# Altium PCB PCB3.PcbDoc (part 3 of 5)
Units mil, origin at the board's own origin, x right, y up, seen from the top; angles counter-clockwise.
Board outline 6000 x 4000 mil, 2 copper layers (Top Layer, Bottom Layer); 340 components, 0 nets, 1296 pads, 308 vias.
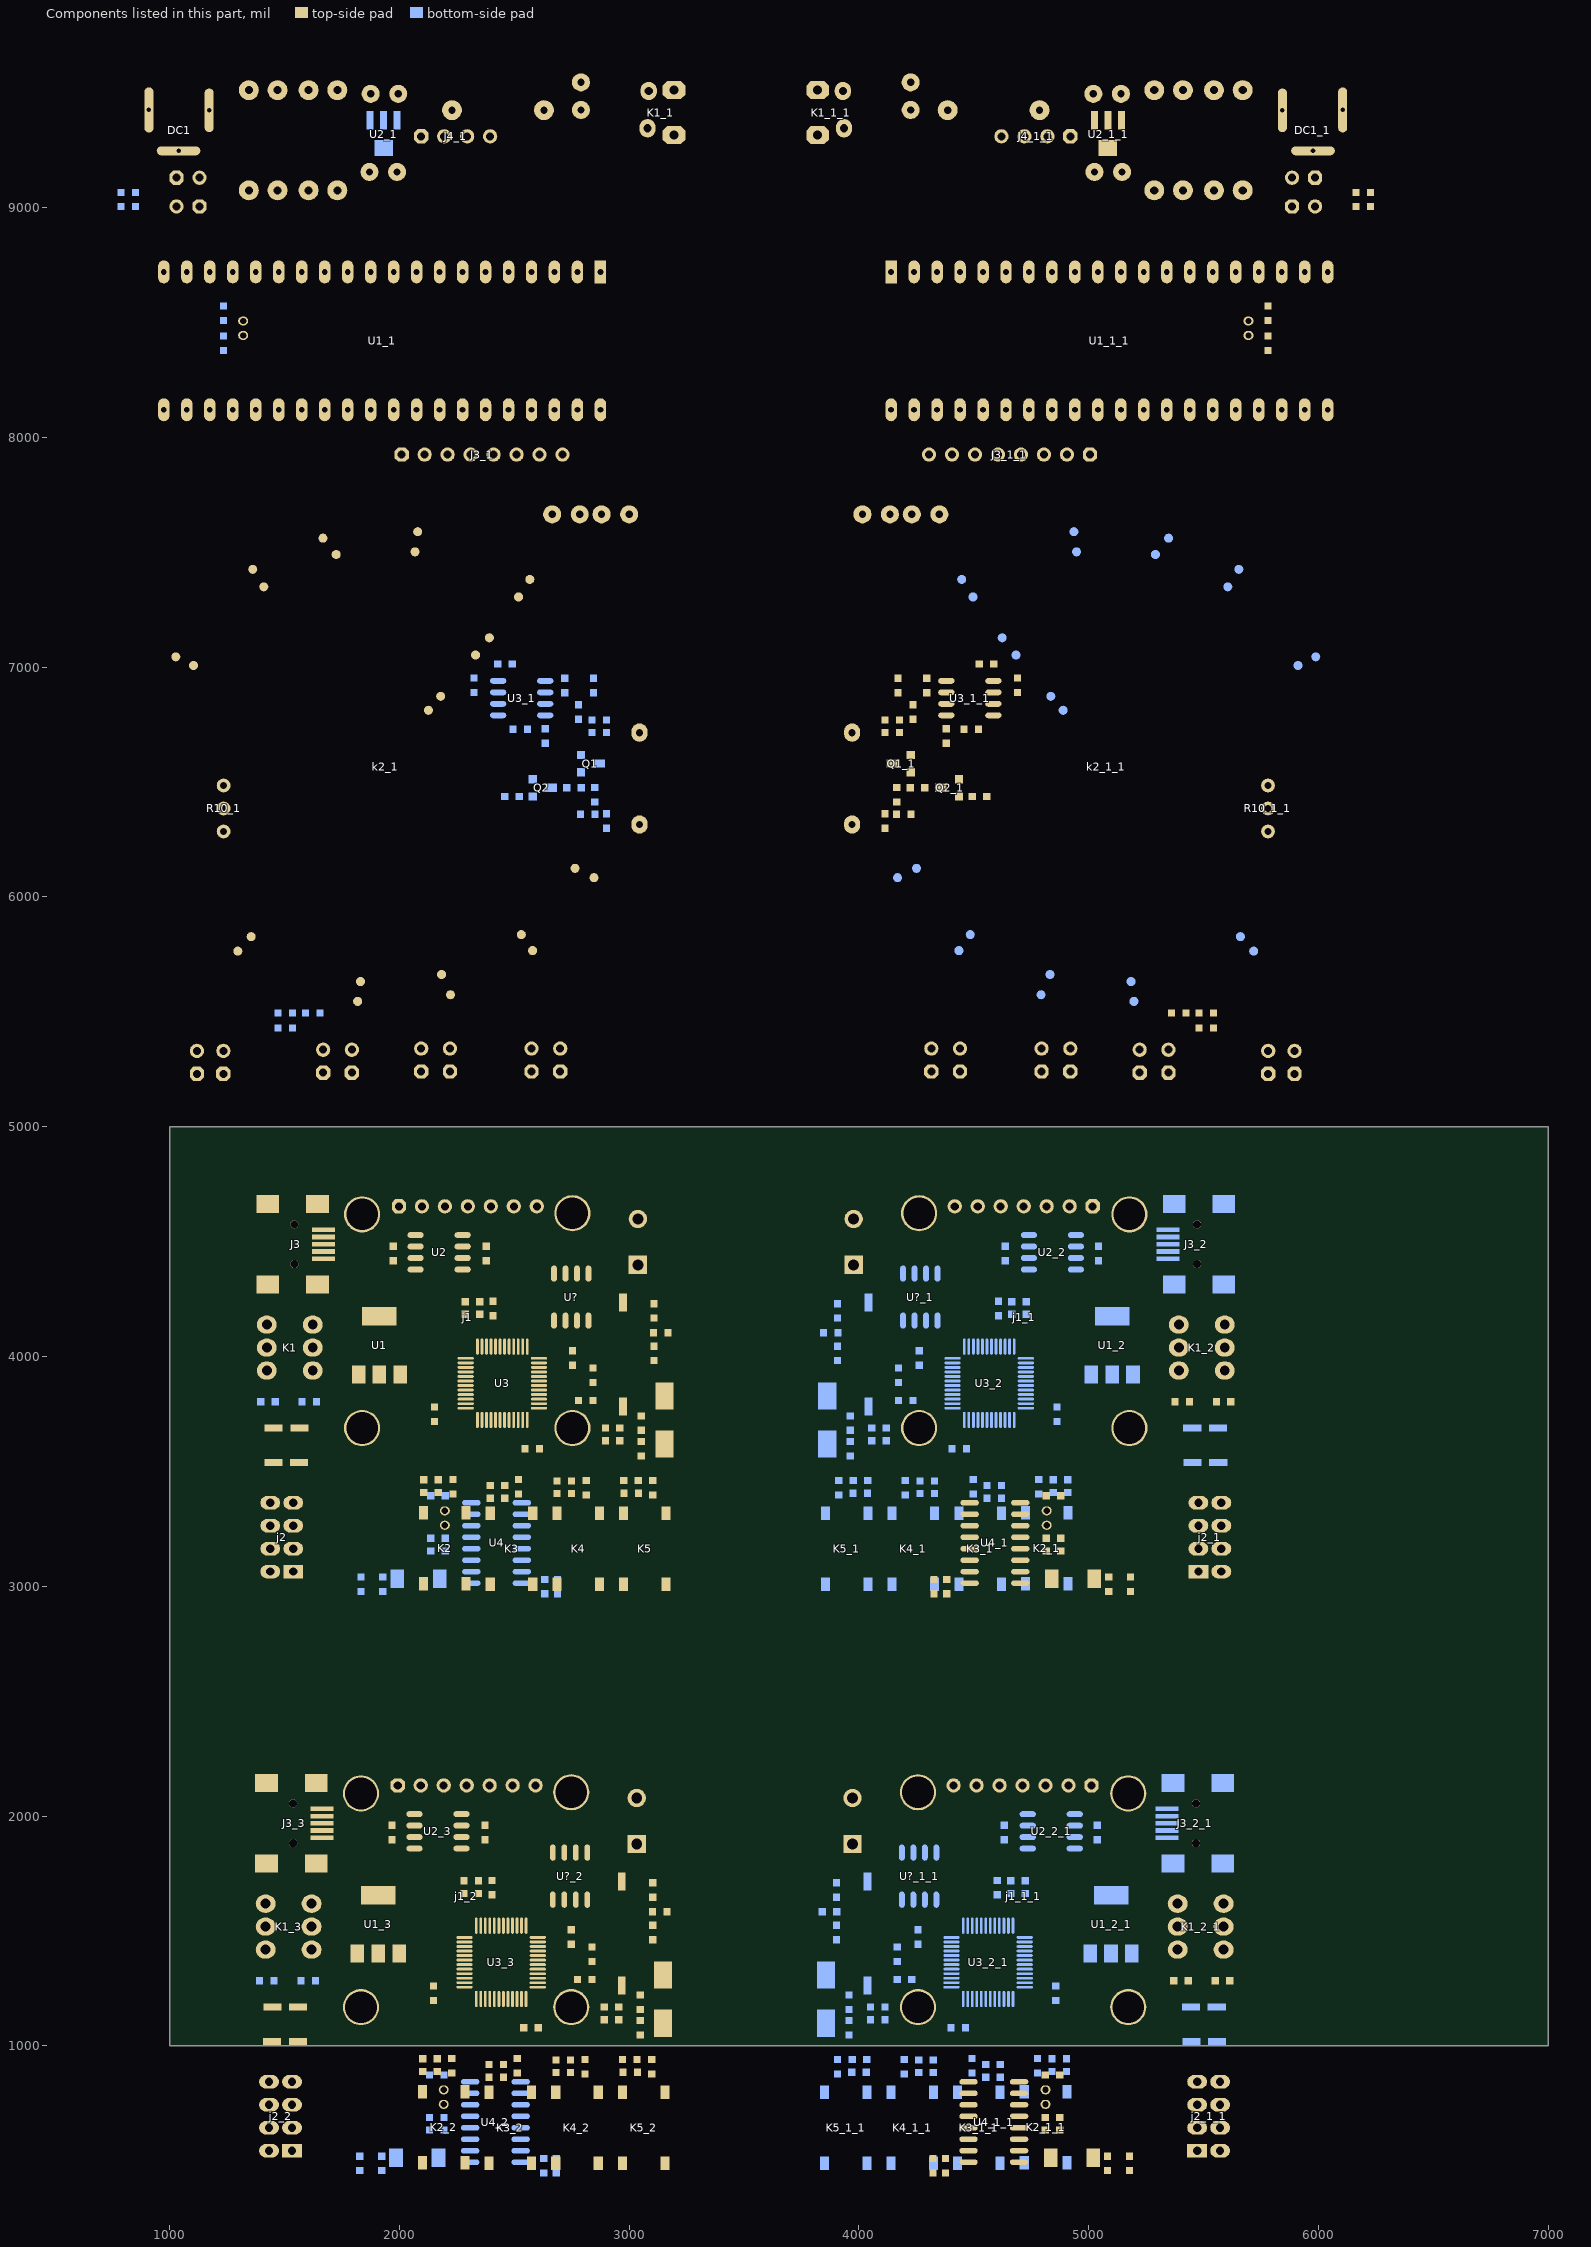
[diagram p3: the components of this part, seen from the top]

## Via types
v1: diameter 39.37, hole 19.68, Top Layer to Bottom Layer, 192 vias
v2: diameter 50, hole 28, Top Layer to Bottom Layer, 116 vias

## Nets (pads, with @x,y where several pads share a name; then routed paths per layer and width w, separated by ;. In a path a pad name is that pad's centre, name@x,y a point inside that pad or via, vN(x,y) a via of type N, cw(c..) or ccw(c..) an arc to the next point about the centre after c; other vN are vias at no path point) (continued)
copper on no net: (continued)
  Top Layer w12: v1(1618,743.5) 1618,883.5 1638,903.5 v1(2013,903.5) ; v1(1623,3263.5) 1623,3403.5 1643,3423.5 v1(2018,3423.5) ; v1(1664.06,798) 1664.25,797.82 1664.25,559.75 1706.19,517.82 1880.82,517.82 v1(1881.5,518.5) ; v1(1669.06,3318) 1669.25,3317.82 1669.25,3079.75 1711.19,3037.82 1885.82,3037.82 v1(1886.5,3038.5) ; v1(1768,453.5) 2063.25,453.5 2100.48,490.74 2114.17,504.42 2114.17,544.67 2138,568.5 2388,568.5 ; v1(1773,2973.5) 2068.25,2973.5 2105.48,3010.74 2119.17,3024.42 2119.17,3064.67 2143,3088.5 2393,3088.5 ; 1907.33,1655.28 1907.33,1402.4 1908,1401.73 ; 1912.33,4175.28 1912.33,3922.4 1913,3921.73 ; 1968,1960 1968.75,1959.25 2064.89,1959.25 2065.64,1958.5 ; 1973,4480 1973.75,4479.25 2069.89,4479.25 2070.64,4478.5 ; v1(2057.56,1318.5) 2081.46,1294.61 2283.55,1294.61 ; v1(2062.56,3838.5) 2086.46,3814.61 2288.55,3814.61 ; 2101.5,888.5 2101.5,800.76 2100.48,799.74 2114.17,786.05 ; 2106.5,3408.5 2106.5,3320.76 2105.48,3319.74 2119.17,3306.05 ; 2112.24,1038.5 2309.64,1038.5 2334.64,1063.5 2334.64,1203.96 2334.73,1204.06 ; 2117.24,3558.5 2314.64,3558.5 2339.64,3583.5 2339.64,3723.96 2339.73,3724.06 ; 2128,1713.5 2108,1693.5 2108,1343.5 2137.21,1314.29 2283.55,1314.29 ; 2133,4233.5 2113,4213.5 2113,3863.5 2142.21,3834.29 2288.55,3834.29 ; v1(2143,1623.5) 2143,1620.26 2133,1610.26 2133,1361.75 2160.78,1333.98 2283.55,1333.98 ; 2148,1260 2162.92,1274.92 2283.55,1274.92 ; v1(2148,4143.5) 2148,4140.26 2138,4130.26 2138,3881.75 2165.78,3853.98 2288.55,3853.98 ; 2153,3780 2167.92,3794.92 2288.55,3794.92 ; v1@2160.78,1541.36 2160.78,1375.95 2183.07,1353.66 2283.55,1353.66 ; 2164.5,943.5 2164.5,888.5 2167.74,885.26 2224.75,885.26 2228,882.01 2271.83,838.17 2271.83,813.42 2285.52,799.74 ; v1@2165.78,4061.36 2165.78,3895.95 2188.07,3873.66 2288.55,3873.66 ; 2169.5,3463.5 2169.5,3408.5 2172.74,3405.26 2229.75,3405.26 2233,3402.01 2276.83,3358.17 2276.83,3333.42 2290.52,3319.74 ; v1@2183,1478.5 2183,1388.5 2198.16,1373.35 2283.55,1373.35 ; v1@2188,3998.5 2188,3908.5 2203.16,3893.35 2288.55,3893.35 ; v1(2193,1153.5) 2191.5,1153.5 2149.75,1195.26 2146.25,1195.26 2148,1197.01 2206.23,1255.24 2283.55,1255.24 ; v1(2198,3673.5) 2196.5,3673.5 2154.75,3715.26 2151.25,3715.26 2153,3717.01 2211.23,3775.24 2288.55,3775.24 ; 2228,945 2314.5,945 2393.79,1024.29 2393.79,1204.06 ; v1(2228,1663.5) 2281.5,1663.5 2334.73,1610.28 2334.73,1522.95 ; v1@2228,1673.79 2228,1808.5 2238,1818.5 2378,1818.5 2403,1793.5 2403,1720 ; 2233,3465 2319.5,3465 2398.79,3544.29 2398.79,3724.06 ; v1(2233,4183.5) 2286.5,4183.5 2339.73,4130.28 2339.73,4042.95 ; v1@2233,4193.79 2233,4328.5 2243,4338.5 2383,4338.5 2408,4313.5 2408,4240 ; 2281.5,1718.5 2354.46,1645.55 2354.46,1533.54 2354.42,1533.5 2354.42,1522.95 ; 2286.5,4238.5 2359.46,4165.55 2359.46,4053.54 2359.42,4053.5 2359.42,4042.95 ; 2333,693.5 2333,888.5 2356.34,911.84 2383.43,911.84 2390.09,918.5 ; 2338,3213.5 2338,3408.5 2361.34,3431.84 2388.43,3431.84 2395.09,3438.5 ; 2344.5,1718.5 2388,1675 ; 2349.5,4238.5 2393,4195 ; 2390.09,888.5 2390.09,863.5 2390.09,798.4 2390.48,798 ; 2390.48,489 2388,491.48 2388,568.5 ; 2395.09,3408.5 2395.09,3383.5 2395.09,3318.4 2395.48,3318 ; 2395.48,3009 2393,3011.48 2393,3088.5 ; 2408,1657.01 2398.25,1666.76 2396.24,1666.76 2388,1675 ; 2413,4177.01 2403.25,4186.76 2401.24,4186.76 2393,4195 ; 2413.47,1204.06 2413.47,978.19 2433.16,958.5 2478,958.5 2481.76,954.75 2503.25,954.75 2513,945 ; 2413.47,1522.95 2413.38,1523.05 2413.38,1593.13 2388,1618.5 2388,1675 ; 2418.47,3724.06 2418.47,3498.19 2438.16,3478.5 2483,3478.5 2486.76,3474.75 2508.25,3474.75 2518,3465 ; 2418.47,4042.95 2418.38,4043.05 2418.38,4113.13 2393,4138.5 2393,4195 ; 2433.16,1204.06 2433.16,1016.67 2461.33,988.5 2798,988.5 2808,978.5 2808,940 ; 2433.16,1522.95 2433.16,1778.66 v1(2508,1853.5) ; 2438.16,3724.06 2438.16,3536.67 2466.33,3508.5 2803,3508.5 2813,3498.5 2813,3460 ; 2438.16,4042.95 2438.16,4298.66 v1(2513,4373.5) ; 2452.84,1204.06 2452.84,1033.66 2473,1013.5 3078,1013.5 3098,993.5 3098,940 ; 2452.84,1483.58 2452.84,1522.95 2452.84,1738.35 v1(2468,1753.5) ; 2452.92,1483.5 2452.92,1503.5 ; 2453.08,863.5 2453.08,918.5 2479.83,891.76 2503.25,891.76 2513,882.01 2561.83,833.17 2561.83,811.69 2575.52,798 ; 2457.84,3724.06 2457.84,3553.66 2478,3533.5 3083,3533.5 3103,3513.5 3103,3460 ; 2457.84,4003.58 2457.84,4042.95 2457.84,4258.35 v1(2473,4273.5) ; 2457.92,4003.5 2457.92,4023.5 ; 2458.08,3383.5 2458.08,3438.5 2484.83,3411.76 2508.25,3411.76 2518,3402.01 2566.83,3353.17 2566.83,3331.69 2580.52,3318 ; 2472.53,1204.06 2472.53,1053.98 2488,1038.5 2878,1038.5 2891.5,1052.01 2891.5,1113.5 2891.5,1168.5 2893.38,1166.63 ; 2472.53,1513.5 2472.53,1522.95 2472.53,1673.03 v1(2503,1703.5) ; 2477.53,3724.06 2477.53,3573.98 2493,3558.5 2883,3558.5 2896.5,3572.01 2896.5,3633.5 2896.5,3688.5 2898.38,3686.63 ; 2477.53,4033.5 2477.53,4042.95 2477.53,4193.03 v1(2508,4223.5) ; 2492.21,1522.95 2492.21,1637.72 v1(2508,1653.5) ; 2497.21,4042.95 2497.21,4157.72 v1(2513,4173.5) ; 2511.9,1522.95 2511.9,1602.4 2543,1633.5 v1(2543,1753.5) ; 2516.9,4042.95 2516.9,4122.4 2548,4153.5 v1(2548,4273.5) ; 2531.58,1093.43 2531.58,1204.06 ; 2531.58,1522.95 2531.58,1592.09 2592.31,1652.82 2592.31,1852.82 v1(2593,1853.5) ; 2536.58,3613.43 2536.58,3724.06 ; 2536.58,4042.95 2536.58,4112.09 2597.31,4172.82 2597.31,4372.82 v1(2598,4373.5) ; 2551.27,1522.95 2551.27,1576.77 2588.7,1614.21 2663.49,1614.21 2669.5,1620.21 2669.5,1631.14 ; 2556.27,4042.95 2556.27,4096.77 2593.7,4134.21 2668.49,4134.21 2674.5,4140.21 2674.5,4151.14 ; 2602.45,1255.24 2573.11,1255.24 2551.27,1233.39 2551.27,1204.06 2551.27,1136.73 2609.5,1078.5 ; 2602.45,1333.98 2792.53,1333.98 2838,1288.5 2957.27,1288.5 2968,1277.77 2968,1262.13 ; 2602.45,1353.66 2840.99,1353.66 ; 2602.45,1373.35 2762.84,1373.35 v2@2793,1403.5 ; 2602.45,1412.72 2697.21,1412.72 2714.25,1429.76 2714.25,1483.5 2726,1495.25 2738.25,1495.25 2748,1505 v1@2817.09,1505 ; 2602.45,1432.4 2676.9,1432.4 2693,1448.5 2693,1528.5 2708,1543.5 v1(2713,1543.5) ; 2602.45,1452.09 2660.97,1452.09 2668,1459.12 2668,1553.5 v1(2658,1543.5) ; 2602.45,1471.77 2607.37,1471.77 2607.47,1471.87 2607.47,1571.47 2619.5,1583.5 2694.79,1583.5 2719.5,1608.21 2719.5,1631.14 ; 2604.5,1078.5 2609.5,1078.5 ; 2607.45,3775.24 2578.11,3775.24 2556.27,3753.39 2556.27,3724.06 2556.27,3656.73 2614.5,3598.5 ; 2607.45,3853.98 2797.53,3853.98 2843,3808.5 2962.27,3808.5 2973,3797.77 2973,3782.13 ; 2607.45,3873.66 2845.99,3873.66 ; 2607.45,3893.35 2767.84,3893.35 v2@2798,3923.5 ; 2607.45,3932.72 2702.21,3932.72 2719.25,3949.76 2719.25,4003.5 2731,4015.25 2743.25,4015.25 2753,4025 v1@2822.09,4025 ; 2607.45,3952.4 2681.9,3952.4 2698,3968.5 2698,4048.5 2713,4063.5 v1(2718,4063.5) ; 2607.45,3972.09 2665.97,3972.09 2673,3979.12 2673,4073.5 v1(2663,4063.5) ; 2607.45,3991.77 2612.37,3991.77 2612.47,3991.87 2612.47,4091.47 2624.5,4103.5 2699.79,4103.5 2724.5,4128.21 2724.5,4151.14 ; 2609.5,3598.5 2614.5,3598.5 ; v1(2623,1708.5) 2753,1708.5 2768,1693.5 2768,1636.14 ; 2628,693.5 2628,928.5 2638,938.5 2681.5,938.5 ; v1(2628,4228.5) 2758,4228.5 2773,4213.5 2773,4156.14 ; 2633,3213.5 2633,3448.5 2643,3458.5 2686.5,3458.5 ; v1(2666.47,1078.5) 2609.5,1078.5 ; v1(2671.47,3598.5) 2614.5,3598.5 ; 2680.48,489 2673,496.48 2673,568.5 ; 2680.48,798 2681.5,799.03 2681.5,883.5 ; 2685.48,3009 2678,3016.48 2678,3088.5 ; 2685.48,3318 2686.5,3319.03 2686.5,3403.5 ; 2727.53,1392.01 2726.6,1392.94 2602.54,1392.94 2602.45,1393.03 2727.53,1393.03 2742.76,1408.26 2742.76,1436.76 2748,1442.01 2754,1436 2832,1436 2838,1430 ; 2732.53,3912.01 2731.6,3912.94 2607.54,3912.94 2607.45,3913.03 2732.53,3913.03 2747.76,3928.26 2747.76,3956.76 2753,3962.01 2759,3956 2837,3956 2843,3950 ; 2744.5,938.5 2744.5,883.5 2747.74,880.26 2804.75,880.26 2808,877.01 2851.83,833.17 2851.83,811.69 2865.52,798 ; 2749.5,3458.5 2749.5,3403.5 2752.74,3400.26 2809.75,3400.26 2813,3397.01 2856.83,3353.17 2856.83,3331.69 2870.52,3318 ; 2775.01,1288.5 2811.98,1251.53 2871.47,1251.53 2954.5,1168.5 3007.49,1221.5 3048,1221.5 3049.07,1222.57 3081.75,1222.57 3148,1288.82 3148,1308.5 ; 2780.01,3808.5 2816.98,3771.53 2876.47,3771.53 2959.5,3688.5 3012.49,3741.5 3053,3741.5 3054.07,3742.57 3086.75,3742.57 3153,3808.82 3153,3828.5 ; v1(2818,1493.5) v1@2810.41,1493.5 ; 2818,1636.14 2818,1505.91 v1@2817.09,1505 ; v1(2823,4013.5) v1@2815.41,4013.5 ; 2823,4156.14 2823,4025.91 v1@2822.09,4025 ; 2838,1367.01 2968,1497.01 2968,1714.88 ; 2843,3887.01 2973,4017.01 2973,4234.88 ; 2868,1783.5 3030.4,1783.5 3058,1755.91 3058,1230.32 3048,1230.32 ; 2873,4303.5 3035.4,4303.5 3063,4275.91 3063,3750.32 3053,3750.32 ; 2923,768.5 2923,923.5 2937.76,938.26 2969.76,938.26 2971.5,940 ; 2928,3288.5 2928,3443.5 2942.76,3458.26 2974.76,3458.26 2976.5,3460 ; 2954.5,1113.5 2956.25,1111.75 2956.25,1055.26 v1(2958,1053.5) 2958.75,1052.76 3047.25,1052.76 3048,1052.01 ; 2959.5,3633.5 2961.25,3631.75 2961.25,3575.26 v1(2963,3573.5) 2963.75,3572.76 3052.25,3572.76 3053,3572.01 ; 2970.48,489 2956.8,502.69 2956.8,544.71 2933,568.5 2673,568.5 ; 2970.48,798 2973,800.52 2973,885 ; 2975.48,3009 2961.8,3022.69 2961.8,3064.71 2938,3088.5 2678,3088.5 ; 2975.48,3318 2978,3320.52 2978,3405 ; v1(2998,1143.5) 3048,1143.5 3048,1110 3136.5,1110 3148,1098.5 ; v1(3003,3663.5) 3053,3663.5 3053,3630 3141.5,3630 3153,3618.5 ; 3034.5,940 3035.24,939.25 3035.24,885.75 3035.99,885 3039.99,881 3094,881 3098,877.01 3141.83,833.17 3141.83,811.69 3155.52,798 ; 3039.5,3460 3040.24,3459.25 3040.24,3405.75 3040.99,3405 3044.99,3401 3099,3401 3103,3397.01 3146.83,3353.17 3146.83,3331.69 3160.52,3318 ; 3103,1462.01 3150.97,1462.01 3158,1469.04 v1(3158,1528.5) ; 3103,1710 v1(3103,1748.5) ; 3108,3982.01 3155.97,3982.01 3163,3989.04 v1(3163,4048.5) ; 3108,4230 v1(3108,4268.5) ; v1(3847,1528.5) 3847,1533.5 3867,1553.5 3877,1543.5 v1(4292,1543.5) ; v1(3852,4048.5) 3852,4053.5 3872,4073.5 3882,4063.5 v1(4297,4063.5) ; v1(3902,1748.5) 4324.52,1748.5 4344.52,1728.5 4347,1728.5 v1(4347,1543.5) ; v1(3907,4268.5) 4329.52,4268.5 4349.52,4248.5 4352,4248.5 v1(4352,4063.5) ; v1(4007,1143.5) 4007,1373.5 4026.61,1393.11 v2(4218.38,1393.11) ; v1(4012,3663.5) 4012,3893.5 4031.61,3913.11 v2(4223.38,3913.11) ; v1(4047,1053.5) 4313.53,1053.5 v1(4338.53,1078.5) 4413.53,1153.5 4742,1153.5 4777,1188.5 ; v1(4052,3573.5) 4318.53,3573.5 v1(4343.53,3598.5) 4418.53,3673.5 4747,3673.5 4782,3708.5 ; v1(4187,1493.5) 4772,1493.5 4777,1488.5 ; v1(4192,4013.5) 4777,4013.5 4782,4008.5 ; v1(4382,1708.5) 4437,1653.5 v1(4497,1653.5) ; v1(4387,4228.5) 4442,4173.5 v1(4502,4173.5) ; v1(4462,1753.5) 4462,2168.5 4487,2193.5 ; v1(4467,4273.5) 4467,4688.5 4492,4713.5 ; 4477,493.5 4472,488.5 4472,455.53 4489.03,438.5 5053.5,438.5 5077,462.01 5172,462.01 5177,467.01 ; 4482,3013.5 4477,3008.5 4477,2975.53 4494.03,2958.5 5058.5,2958.5 5082,2982.01 5177,2982.01 5182,2987.01 ; v1(4497,1853.5) 4497,2118.5 4512,2133.5 ; v1(4502,1703.5) 4557,1703.5 4597,1743.5 4597,2013.5 4712,2128.5 4712,2133.5 ; v1(4502,4373.5) 4502,4638.5 4517,4653.5 ; v1(4507,4223.5) 4562,4223.5 4602,4263.5 4602,4533.5 4717,4648.5 4717,4653.5 ; 4697,543.5 4790.5,543.5 4814.5,519.5 4814.5,513.5 ; 4697,593.5 5177,593.5 ; 4697,643.5 4699.3,641.21 4802.8,641.21 4810.5,633.5 ; 4697,793.5 4697.37,793.14 4762.41,793.14 4810.03,745.51 4812,745.51 4811.25,744.76 4811.25,689.25 4810.5,688.5 ; 4697,843.5 4725,843.5 4755,873.5 4810.5,873.5 4811.25,872.76 4811.25,809.25 4812,808.5 ; 4702,3063.5 4795.5,3063.5 4819.5,3039.5 4819.5,3033.5 ; 4702,3113.5 5182,3113.5 ; 4702,3163.5 4704.3,3161.21 4807.8,3161.21 4815.5,3153.5 ; 4702,3313.5 4702.37,3313.14 4767.41,3313.14 4815.03,3265.51 4817,3265.51 4816.25,3264.76 4816.25,3209.25 4815.5,3208.5 ; 4702,3363.5 4730,3363.5 4760,3393.5 4815.5,3393.5 4816.25,3392.76 4816.25,3329.25 4817,3328.5 ; v1(4812,1153.5) 4777,1188.5 ; v1(4812,1473.5) 4992,1473.5 5067,1398.5 5067,728.5 5102,693.5 5527,693.5 5540.49,680.02 5540.49,673.97 5570.95,643.5 ; v1(4817,3673.5) 4782,3708.5 ; v1(4817,3993.5) 4997,3993.5 5072,3918.5 5072,3248.5 5107,3213.5 5532,3213.5 5545.49,3200.02 5545.49,3193.97 5575.95,3163.5 ; v1(4832,1543.5) 4962,1543.5 5282,1223.5 5282,823.5 5307,798.5 5537,798.5 5549.22,786.29 5549.22,765.24 5570.95,743.5 5572,743.5 ; v1(4837,4063.5) 4967,4063.5 5287,3743.5 5287,3343.5 5312,3318.5 5542,3318.5 5554.22,3306.29 5554.22,3285.24 5575.95,3263.5 5577,3263.5 ; v1(4862,1623.5) v1(4938.18,1623.5) ; v1(4867,4143.5) v1(4943.18,4143.5) ; v1(4912,1043.5) 4937,1043.5 4992,988.5 v1(4992,903.5) ; v1(4917,3563.5) 4942,3563.5 4997,3508.5 v1(4997,3423.5) ; v1(4947.44,1318.5) 4992,1318.5 5027,1283.5 5027,693.5 5077,643.5 5472,643.5 ; v1(4952.44,3838.5) 4997,3838.5 5032,3803.5 5032,3213.5 5082,3163.5 5477,3163.5 ; 5006,520 5016,520 ; 5009.5,513.5 5016,520 ; 5011,3040 5021,3040 ; 5014.5,3033.5 5021,3040 ; v1(5032,1663.5) v1(4777,1663.5) 4777,1488.5 ; v1(5037,4183.5) v1(4782,4183.5) 4782,4008.5 ; v1(5123.5,518.5) 5122.75,519.25 5072.75,519.25 5072,520 5016,520 ; v1(5128.5,3038.5) 5127.75,3039.25 5077.75,3039.25 5077,3040 5021,3040 ; 5177,520 5177,593.5 ; 5182,3040 5182,3113.5 ; v1(5237,453.5) 5382,453.5 5472,543.5 5572,543.5 ; v1(5242,2973.5) 5387,2973.5 5477,3063.5 5577,3063.5 ; v1(5387,743.5) 5472,743.5 ; v1(5392,3263.5) 5477,3263.5 ; 5472,843.5 5572,843.5 ; 5477,3363.5 5577,3363.5 ; 5572,643.5 5570.95,643.5 ; 5577,3163.5 5575.95,3163.5 ; 2388,568.5 2673,568.5 ; 2393,3088.5 2678,3088.5 ; v1@2808,1495.91 v1@2817.09,1505 ; v1@2808,1495.91 v1@2810.41,1493.5 ; v1@2808,1495.91 2805.59,1493.5 v1@2810.41,1493.5 ; v1@2813,4015.91 2810.59,4013.5 v1@2815.41,4013.5 ; v1@2813,4015.91 v1@2815.41,4013.5 ; v1@2813,4015.91 v1@2822.09,4025 ; 4777,1188.5 4777,1488.5 ; 4782,3708.5 4782,4008.5 ; 5177,593.5 5542,593.5 5549.22,600.72 5549.22,621.77 5570.95,643.5 ; 5182,3113.5 5547,3113.5 5554.22,3120.72 5554.22,3141.77 5575.95,3163.5
  Top Layer w20: v2(775,7510) 775,8870 810,8905 1175,8905 1215,8945 v2(1215,9130) ; v2(788.5,6810) 785,6810 700,6895 700,9070 760,9130 v2(920,9130) ; v2(845,7520) 845,8835 875,8865 1210,8865 1265,8920 1265,9500 v2(1254,9511) ; v2(900,6660) 900,8800 930,8830 1495,8830 1540,8875 1540,9240 v2(1580,9280) ; v2(1055,7245) 1118.39,7181.61 1119.54,7181.61 ; 1124.78,7020 1124.78,7044.16 ; v2(1234,5440) 1234,5696.01 1302.67,5764.68 ; 1235,6285 1235,6385 1285,6435 1993.44,6435 2098.44,6540 2423.5,6540 v2(2428.5,6545) ; 1235,6485 1680,6485 1875,6680 2436.36,6680 v2(2440,6680) ; v2(1285,7010) 1327.14,6967.86 1377.14,7017.86 1380.48,7017.86 ; 1360.42,5827.68 1757.74,6225 2955,6225 3045,6315 ; v2(1380,8630) 1420,8590 1420,7690 ; 1418.15,7453.15 1420,7455 1420,7690 ; v1(1428,943.5) v1@1428,951.73 ; v1(1433,3463.5) v1@1433,3471.73 ; 1439.13,6946.78 1439.13,6945.29 1439.13,6940.87 v2(1490,6890) ; v2(1472.01,5542.01) 1603.06,5542.01 1644.76,5583.71 ; 1558,1018.5 1963,1018.5 1998.55,1054.06 1998.55,1401.73 2013,1416.18 2013,1758.5 v1(1968,1803.5) 1968,1897.01 2029.86,1897.01 2041.35,1908.5 2065.64,1908.5 ; 1563,3538.5 1968,3538.5 2003.55,3574.05 2003.55,3921.73 2018,3936.18 2018,4278.5 v1(1973,4323.5) 1973,4417.01 2034.86,4417.01 2046.35,4428.5 2070.64,4428.5 ; 1564.81,6775 1584.9,6754.9 ; 1565.35,1162.76 1559.61,1168.5 v2(1678,1168.5) 1798,1288.5 1887.33,1288.5 1908,1309.17 1908,1401.73 ; v2(1570,7585) 1610.1,7585 1644.76,7550.34 ; 1570.35,3682.76 1564.61,3688.5 v2(1683,3688.5) 1803,3808.5 1892.33,3808.5 1913,3829.17 1913,3921.73 ; 1618,1618.5 1618,1630.46 ; v1(1623,543.5) 1619.29,539.8 1619.29,494.8 1598,473.5 1385.23,473.5 1353,505.74 1353,1923.5 1398,1968.5 1664.06,1968.5 1723,1968.5 1753,1938.5 ; 1623,4138.5 1623,4150.46 ; v1(1628,3063.5) 1624.29,3059.8 1624.29,3014.8 1603,2993.5 1390.23,2993.5 1358,3025.74 1358,4443.5 1403,4488.5 1669.06,4488.5 1728,4488.5 1758,4458.5 ; 1664.06,2031.5 1764.77,2031.5 1812.76,1983.5 v1(1818,1983.5) ; v1@1668,488.5 1623,443.5 1363,443.5 1318,488.5 1318,1943.5 1374.5,2000 1664.06,2000 1741.5,2000 1778,1963.5 ; 1669.06,4551.5 1769.77,4551.5 1817.76,4503.5 v1(1823,4503.5) ; v1@1673,3008.5 1628,2963.5 1368,2963.5 1323,3008.5 1323,4463.5 1379.5,4520 1669.06,4520 1746.5,4520 1783,4483.5 ; 1693.98,1907.13 1798,1907.13 ; 1698.98,4427.13 1803,4427.13 ; v1(1723,558.5) 1818,653.5 v1(2683,653.5) ; v1(1728,3078.5) 1823,3173.5 v1(2688,3173.5) ; v1@1783,553.5 v1(1778,558.5) 1823,603.5 v1(2718,603.5) ; v1@1788,3073.5 v1(1783,3078.5) 1828,3123.5 v1(2723,3123.5) ; 1817.45,1401.73 1817.45,1391.73 1797.95,1372.23 1787.95,1372.23 1649.22,1233.5 1438,1233.5 1418.78,1214.29 1418.78,1024.25 1428,1015.04 v1@1428,951.73 ; 1822.45,1401.73 1802.95,1421.23 1802.95,1448.56 1798,1453.5 1798,1907.13 ; 1822.45,3921.73 1822.45,3911.73 1802.95,3892.23 1792.95,3892.23 1654.22,3753.5 1443,3753.5 1423.78,3734.29 1423.78,3544.25 1433,3535.04 v1@1433,3471.73 ; v2(1825,7745) v2(1825,8600) ; 1827.45,3921.73 1807.95,3941.23 1807.95,3968.55 1803,3973.5 1803,4427.13 ; 1857.33,1655.28 1858,1654.61 ; 1862.33,4175.28 1863,4174.61 ; v2(1870,8945) 2390,8945 ; v2(1875,7690) 1420,7690 ; v2(1925,7635) v2(1925,8495) ; 2028,944.51 1438.76,944.51 1429.77,953.5 v1@1428,951.73 ; 2033,3464.51 1443.76,3464.51 1434.77,3473.5 v1@1433,3471.73 ; v1@2038,1098.5 2038,944.51 2057.56,944.51 ; v1(2039.72,1108.5) 2039.72,1251.53 2048.19,1260 2148,1260 ; v2(2040,7740) 2043.77,7736.23 2043.77,7589.63 ; v1@2043,3618.5 2043,3464.51 2062.56,3464.51 ; v1(2044.72,3628.5) 2044.72,3771.53 2053.19,3780 2153,3780 ; 2065.64,1858.5 2066.82,1857.32 v1(2066.82,1623.5) ; 2065.64,2008.5 2066.59,2007.55 2112.24,2007.55 2128,1991.79 2128,1713.5 ; v1(2068,2193.5) 2428.16,2193.5 2431.91,2197.24 3134.26,2197.24 3164.5,2167.01 3164.5,1583.5 ; 2070.64,4378.5 2071.82,4377.32 v1(2071.82,4143.5) ; 2070.64,4528.5 2071.59,4527.55 2117.24,4527.55 2133,4511.79 2133,4233.5 ; v1(2073,4713.5) 2433.16,4713.5 2436.91,4717.24 3139.26,4717.24 3169.5,4687.01 3169.5,4103.5 ; 2101.5,943.5 2100.49,944.51 2057.56,944.51 ; 2106.5,3463.5 2105.49,3464.51 2062.56,3464.51 ; 2185,5685 v2(2320,5820) ; v1(2228,493.5) 2231.71,489.8 2231.71,450.22 2243.42,438.5 v1(2918,438.5) 3014.99,438.5 3039.99,463.5 3039.99,641.52 2988,693.5 2928,693.5 ; v1(2233,3013.5) 2236.71,3009.8 2236.71,2970.22 2248.42,2958.5 v1(2923,2958.5) 3019.99,2958.5 3044.99,2983.5 3044.99,3161.52 2993,3213.5 2933,3213.5 ; v2(2255,6390) v2(2255,6490) ; 2270.36,1908.5 2275.36,1913.5 v1(2763,1913.5) ; 2270.36,1958.5 2271.11,1959.25 v1(2812.25,1959.25) ; 2275.36,4428.5 2280.36,4433.5 v1(2768,4433.5) ; 2275.36,4478.5 2276.11,4479.25 v1(2817.25,4479.25) ; 2281.5,1718.5 2333,1770 v1(2333,1773.5) ; 2286.5,4238.5 2338,4290 v1(2338,4293.5) ; v2(2380,6985) 2520,6985 2521.25,6983.75 ; v2(2395,9165) 2390,9160 2390,8945 ; 2423.89,7472.73 2423.89,7487.7 2445,7508.81 v2(2445,7795) ; v2(2520,7125) 2521.25,7123.75 2521.25,6983.75 ; v2(2520,7515) v2(2520,7725) ; 2521.25,6547.99 2521.25,6983.75 ; 2524.24,7306.11 2555.35,7275 2735,7275 ; v2(2530,6155) 2530.61,6154.39 2530.61,5836.02 2530.61,5835.89 ; v2(2665,7880) 2665,7665 2735,7595 2735,7275 ; 2668,1840.87 2668,1835.81 2670.31,1833.5 2868,1833.5 ; 2673,4360.87 2673,4355.81 2675.31,4353.5 2873,4353.5 ; v2(2705,6170) 2750.52,6124.48 2764.45,6124.48 ; v2(2735,6705) 2735,7275 ; v2(2785,7040) 2785,7665 ; 2838,1430 2868,1460 2868,1783.5 2868,1833.5 ; 2843,3950 2873,3980 2873,4303.5 2873,4353.5 ; 2847.05,6083.66 2903.66,6083.66 v2(2920,6100) ; v2(2880,6835) 2880,7665 ; 2923,768.5 2923,698.5 2928,693.5 ; 2928,3288.5 2928,3218.5 2933,3213.5 ; v2(2945,7475) 2945,6675 2985,6635 v2(2985,6390) ; v2(2985,8120) 2985,8880 2920,8945 2390,8945 ; 3000,7665 v2(3000,6765) 3045,6720 3045,6715 ; 3101.5,1583.5 3101.5,1643.5 ; 3103,1520 3103,1583.5 3103,1651.89 ; 3106.5,4103.5 3106.5,4163.5 ; 3108,4040 3108,4103.5 3108,4171.89 ; 3148,1098.5 3148,1118.19 ; 3153,3618.5 3153,3638.19 ; v1(3817,1638.5) 3817,1633.26 3792,1608.26 3792,555.53 3837.53,510 4322,510 4338.5,493.5 4477,493.5 ; v1(3822,4158.5) 3822,4153.26 3797,4128.26 3797,3075.53 3842.53,3030 4327,3030 4343.5,3013.5 4482,3013.5 ; 3930,9507.5 3939.2,9507.5 3976.7,9545 4225,9545 4385,9545 4620,9310 v2(4620,9165) ; 3935,9345 3935,9349.57 4010.43,9425 4225,9425 4226,9424 4386,9424 4386,9274 4940,8720 ; 3972,1878.5 4002,1908.5 4237,1908.5 v1(4242,1913.5) ; 3972,2078.5 4091.25,1959.25 v1(4192.75,1959.25) ; 3977,4398.5 4007,4428.5 4242,4428.5 v1(4247,4433.5) ; 3977,4598.5 4096.25,4479.25 v1(4197.75,4479.25) ; v2(4030,6390) 4030,6330 4061.5,6298.5 4113.5,6298.5 ; v2(4030,8120) 4140,8120 4140,8190 4165,8215 5005,8215 5040,8180 5040,8120 5080,8080 5080,7880 5050,7850 4505,7850 ; v2(4070,7475) 4350,7475 4565,7690 v2(5140,7690) ; v1(4087,438.5) 4090.71,442.21 4372.2,442.21 4377,447.01 ; v1(4092,2958.5) 4095.71,2962.21 4377.2,2962.21 4382,2967.01 ; 4111.5,6360 4163.5,6360 ; 4113.5,6361.5 4113.5,6405 v2(4108.5,6410) 4108.5,6458.5 4126.5,6476.5 4165,6476.5 ; 4113.5,6715 4113.5,6770 4108.5,6765 v2(4015,6765) 3890,6765 3865,6740 3865,5850 3895,5820 v2(4695,5820) ; 4125,6888.5 4170,6888.5 4182.99,6888.5 4235,6836.5 4238.5,6840 4380.28,6840 4430,6840 4457.01,6812.99 4457.01,6730 ; 4145,6580.5 3930.5,6580.5 3900,6550 3900,6120 3920,6100 v2(4095,6100) 4710,6100 4760,6150 v2(4760,6390) ; 4165,6413.5 4351.5,6413.5 4485,6280 v2(4485,6155) ; 4170,6951.5 4170,7095 4200,7125 v2(4495,7125) v2(4495,7515) ; 4176.5,6715 4176.5,6770 4360.28,6770 4380.28,6790 4380.28,6731.5 ; 4219.5,6537 4225,6542.5 4225,6476.5 4223.5,6475 ; 4226.5,6360 4310,6276.5 v2(4310,6170) ; v2@4238.5,7026.5 4238.5,6906.5 4256.5,6888.5 4295,6888.5 4378.78,6888.5 4380.28,6890 ; 4240,8090 4240,8120 ; 4286.5,6475 4355,6475 ; v1(4287,603.5) 4287,943.5 4332,988.5 4582,988.5 4612,958.5 4612,763.5 4631.23,744.27 4696.23,744.27 4697,743.5 ; v1(4292,3123.5) 4292,3463.5 4337,3508.5 4587,3508.5 4617,3478.5 4617,3283.5 4636.23,3264.27 4701.23,3264.27 4702,3263.5 ; 4305,7925 4305,7915 4350,7870 4350,7665 ; 4315,5240 4440,5240 4795,5240 4920,5240 ; v1(4322,653.5) 4322,918.5 4357,953.5 4542,953.5 4567,928.5 4567,743.5 4617,693.5 4697,693.5 ; v1(4327,3173.5) 4327,3438.5 4362,3473.5 4547,3473.5 4572,3448.5 4572,3263.5 4622,3213.5 4702,3213.5 ; 4380.28,6668.5 v2@4558.5,6668.5 ; 4405,7925 4440,7960 4440,8120 ; v1(4412,1853.5) 4412,2133.5 ; v1(4417,4373.5) 4417,4653.5 ; 4435,6437 4493.5,6437 ; 4435,6512 4468,6545 v2(4586.5,6545) ; 4440,6940 4380.28,6940 4368.78,6951.5 4295,6951.5 4516.5,6951.5 4520,6955 ; v1(4487,1113.5) 4489.5,1111 4858.75,1111 ; 4487,2193.5 4752,2193.5 4812,2133.5 ; v1(4492,3633.5) 4494.5,3631 4863.75,3631 ; 4492,4713.5 4757,4713.5 4817,4653.5 ; 4505,7750 4505,7850 ; 4505,7925 4505,7850 ; 4520,6730 4520,6955 ; v1(4537,1753.5) 4537,2058.5 4612,2133.5 ; 4540,8120 4540,7990 4605,7925 ; v1(4542,4273.5) 4542,4578.5 4617,4653.5 ; 4556.5,6437 5182,6437 5245,6500 5245,7825 5540,8120 ; v2(4570,7795) 5045,7795 5340,8090 5340,8120 ; v2(4575,6680) 4585,6690 4585,6790 ; 4585,6840 4585.43,6839.57 4585.87,6840 4726.5,6840 4760,6806.5 v2(4760,6490) ; 4585,6890 4690,6890 5095,6890 5190,6985 v2(5190,7745) ; 4586.5,7013.23 4585,7011.73 4585,6940 4635,6940 ; v2(4635,6985) 4635,6940 ; 4640,8120 4640,7990 4705,7925 ; v1(4667,2018.5) 4667,1778.5 v1(4672,1773.5) ; v1(4672,4538.5) 4672,4298.5 v1(4677,4293.5) ; 4690,6952.99 4677.01,6940 4635,6940 ; 4697,493.5 v1(4777,493.5) ; 4702,3013.5 v1(4782,3013.5) ; 4720,9310 4720,9040 5040,8720 ; 4740,8120 4740,7990 4805,7925 ; 4786,9424 4876,9424 4920,9380 4920,9310 5032,9310 5083,9259 ; 4820,9310 4820,9040 5140,8720 ; 4840,8120 4840,7990 4905,7925 ; 4873.5,633.5 4873.5,688.5 4937.43,688.5 4965.28,716.36 4965.28,850.22 4942,873.5 4873.5,873.5 4871.25,875.75 4871.25,1098.5 4858.75,1111 ; 4878.5,3153.5 4878.5,3208.5 4942.43,3208.5 4970.28,3236.36 4970.28,3370.22 4947,3393.5 4878.5,3393.5 4876.25,3395.75 4876.25,3618.5 4863.75,3631 ; 4912,2133.5 4920.04,2141.54 4920.04,2176.54 v1(4937,2193.5) 5037,2193.5 5072,2158.5 5072,1808.5 ; 4917,4653.5 4925.04,4661.54 4925.04,4696.54 v1(4942,4713.5) 5042,4713.5 5077,4678.5 5077,4328.5 ; 4920,5230 5896,5230 6290,5230 6325,5265 6325,6930 ; 4940,8120 4940,7990 5005,7925 ; v1(4965.28,1108.5) 4962.78,1111 4858.75,1111 ; v1(4970.28,3628.5) 4967.78,3631 4863.75,3631 ; v2(4975,7740) 5060,7740 5440,8120 ; v2@5012,2028.5 5012,2133.5 ; v2@5017,4548.5 5017,4653.5 ; 5020,9495 5020,9350 5025,9345 ; 5020,9515 5020,9555 5055,9590 5331,9590 5410,9511 5545,9511 ; v1(5037,1803.5) 5040.71,1807.21 5065.39,1807.21 5066.69,1808.5 5072,1808.5 ; v1(5042,4323.5) 5045.71,4327.21 5070.39,4327.21 5071.69,4328.5 5077,4328.5 ; v2(5090,7635) 4523.5,7068.5 4523.5,7013.23 4520,7009.72 4520,6955 ; v2(5090,8495) 5100,8505 5220,8505 5330,8615 5435,8615 5540,8720 ; 5143,9380 5145,9378 5145,9155 5145,8988 5188,8945 ; v2(5145,8945) 5188,8945 ; v1(5187,1983.5) 5187,1814.57 5383.06,1618.5 5387,1618.5 ; v2(5190,8600) 5240,8650 5240,8720 ; v1(5192,4503.5) 5192,4334.57 5388.06,4138.5 5392,4138.5 ; 5221.76,5335 5346.76,5335 5346.76,5430 ; v1(5227,558.5) 5287,498.5 v1(5342,498.5) ; v1(5232,3078.5) 5292,3018.5 v1(5347,3018.5) ; v1(5282,558.5) 5287.24,558.5 5302.24,543.5 v1(5382,543.5) ; 5285,9511 5410,9386 5410,9075 ; v1(5287,3078.5) 5292.24,3078.5 5307.24,3063.5 v1(5387,3063.5) ; v2(5302,1278.5) 5304.5,1281 5368,1281 5370.5,1283.5 ; v2(5307,3798.5) 5309.5,3801 5373,3801 5375.5,3803.5 ; v2(5327,1168.5) 5641.5,1168.5 5670,1140 5670,568.5 5645,543.5 5572,543.5 ; v2(5332,3688.5) 5646.5,3688.5 5675,3660 5675,3088.5 5650,3063.5 5577,3063.5 ; 5360,5495 5346.76,5481.76 5346.76,5430 ; 5422.99,5495 5480,5495 ; 5433.5,1283.5 5550.5,1283.5 ; 5438.5,3803.5 5555.5,3803.5 ; v2(5445,7585) 5895,7585 5940,7630 5940,8120 ; 5480,5430 5346.76,5430 ; v2(5525,6890) 5540,6890 5710,7060 6025,7060 6090,7125 6090,7440 v2(6170,7520) ; 5542.99,5430 5542.99,5495 v2(5542.99,5542.01) ; 5545,9075 5545,9386 5670,9511 v2(5761,9511) ; 5572,843.5 5576.76,848.27 5576.76,949.8 5577,949.56 v1(5577,943.5) ; 5577,3363.5 5581.76,3368.27 5581.76,3469.8 5582,3469.56 v1(5582,3463.5) ; 5613.5,1283.5 5615.74,1285.75 5611.25,1285.75 5387,1510 5387,1518.5 5387,1523.5 5102,1808.5 5072,1808.5 ; 5618.5,3803.5 5620.74,3805.75 5616.25,3805.75 5392,4030 5392,4038.5 5392,4043.5 5107,4328.5 5077,4328.5 ; v2(5635,8630) 5635,8715 5640,8720 ; 5670,9075 5670,9005 ; 5695,8443.5 5913.5,8443.5 5940,8470 5940,8720 ; 5695,8506.5 5812.99,8506.5 5840,8533.5 5840,8720 ; v2(5730,7010) 6055,7010 6140,7095 6140,7415 v2@6237.5,7512.5 ; 5780,8571.5 5401.5,8571.5 5365,8535 5365,8415 5401.5,8378.5 5780,8378.5 6038.5,8378.5 ; v2(5781,5440) 5781,5330 5896,5330 ; v2(5800,9130) 5885,9130 5842.82,9172.18 5842.82,9423.2 ; v2(5950,6935) 6320,6935 6325,6930 ; v2(5960,7245) 6040,7325 6040,8120 ; v2(6095,9130) 5985,9130 5985,9238 5976,9247 6072,9247 6105,9280 6105,9425 ; v2(6115,6660) v2@6120,6655 ; 6163.5,9005 5985,9005 5925,8945 5188,8945 ; 6163.5,9065 5945,9065 5885,9005 5670,9005 ; 6226.5,9005 6226.5,9065 ; 1798,1907.13 1944.38,2053.5 2153,2053.5 2198,2008.5 2270.36,2008.5 2833,2008.5 2868,1973.5 2868,1833.5 ; 1803,4427.13 1949.38,4573.5 2158,4573.5 2203,4528.5 2275.36,4528.5 2838,4528.5 2873,4493.5 2873,4353.5 ; 2057.56,944.51 2057.56,723.94 2088,693.5 2333,693.5 2628,693.5 2928,693.5 ; 2062.56,3464.51 2062.56,3243.94 2093,3213.5 2338,3213.5 2633,3213.5 2933,3213.5 ; 5083,9259 5083,9438 5140,9495 5175,9495 5285,9385 5285,9075 5285,9025 5305,9005 5670,9005 ; 5083,9259 5083,9213 5025,9155 5025,8915 5050,8890 6000,8890 6040,8850 6040,8720 6040,8380 6038.5,8378.5 ; 6038.5,8378.5 6291.5,8378.5 6325,8345 6325,6930
  Top Layer w66.93: v2(1065,6935) 1124.78,6994.78 1124.78,7020 ; v2(1535,6814.15) 1579.15,6770 1600,6770 ; 1662.12,6712.61 1662.65,6712.08 v2(1714.72,6660) ; 1836.27,5632 2033.88,5632 2035.24,5630.65 2035.28,5630.61 ; v2(2043.77,5391.23) 2043.77,5544.41 ; 2421.89,5660.27 v2(2575,5507.16) ; 2579.79,5766.29 2582.12,5766.29 2582.84,5766.29 2595.9,5763.49 2742.15,5909.74 ; v2(4280,6705) 4280,6750 ; 4315,5340 4440,5340 v2(4440,5507.16) ; 4795,5340 4920,5340 v2(4971.23,5391.23) ; v2(5300.28,6660) v2(6115,6660) ; v2(5480,6814.15) 5484.15,6810 v2(6226.5,6810)